# Allegro board SG2042_EVB_V2_0.brd (continued)
## Routing (per net, layer and track width the routed paths; a pad name or vN(x,y) marks a point on that pad's centre or on a via; arc(x,y) is an arc through that point) (continued)
  ART07 w0.254: 171.11,198.71 J2.239 ; J2.239 171.77,199.38 ; J2.239 170.45,199.38 ; 60.13,189.18 J4.107 ; J4.107 60.79,189.84 ; J4.107 60.79,188.51 ; J4.107 61.45,189.18 ; J4.149 65.25,280.98 ; J4.149 64.59,281.64 ; J4.149 63.93,280.98 ; J4.149 64.59,280.31 ; 50.73,240.18 J3.53 ; J3.53 52.05,240.18 ; J3.53 51.39,239.51 ; J3.53 51.39,240.84 ; J4.169 65.25,263.98 ; J4.169 64.59,264.64 ; J4.169 63.93,263.98 ; 176.05,175.58 J1.123 ; J1.123 176.71,176.24 ; J1.123 177.37,175.58 ; J2.96 169.57,198.53 ; J2.96 168.25,198.53 ; J2.96 168.91,197.86 ; J2.96 168.91,199.19 ; 182.11,174.06 J1.268 ; J1.268 182.11,175.39 ; J1.268 181.45,174.73 ; J1.268 182.77,174.73 ; 181.45,239.33 J1.198 ; J1.198 182.77,239.33 ; J1.198 182.11,239.99 ; J1.198 182.11,238.66 ; 60.79,276.91 J4.9 ; J4.9 60.79,278.24 ; J4.9 60.13,277.58 ; J4.9 61.45,277.58 ; J1.109 177.37,187.48 ; J1.109 176.05,187.48 ; J1.109 176.71,186.81 ; J1.109 176.71,188.14 ; J2.276 173.37,167.92 ; J2.276 172.05,167.92 ; J2.276 172.71,167.26 ; J2.259 171.11,183.04 ; J2.259 171.77,182.38 ; J2.259 170.45,182.38 ; 55.19,244.61 J3.191 ; J3.191 55.85,245.28 ; J3.191 54.53,245.28 ; J3.191 55.19,245.94 ; 65.53,237.63 J4.200 ; J4.200 66.19,236.96 ; J4.200 66.19,238.29 ; 56.79,274.36 J3.156 ; J3.156 56.13,275.03 ; J3.156 56.79,275.69 ; J3.156 57.45,275.03 ; J1.239 180.51,200.04 ; J1.239 180.51,198.71 ; J1.239 181.17,199.38 ; J1.239 179.85,199.38 ; J4.17 60.79,271.44 ; J4.17 60.79,270.11 ; J4.17 60.13,270.78 ; J4.17 61.45,270.78 ; J3.48 52.99,245.09 ; J3.48 52.99,243.76 ; J3.48 52.33,244.43 ; J3.48 53.65,244.43 ; J4.123 61.45,175.58 ; J4.123 60.79,176.24 ; J4.123 60.13,175.58 ; 52.99,162.16 J3.138 ; J3.138 52.33,162.83 ; J3.138 53.65,162.83 ; J2.250 172.71,190.69 ; J2.250 173.37,190.03 ; J2.250 172.71,189.36 ; J2.250 172.05,190.03 ; 179.85,197.67 J1.241 ; J1.241 180.51,198.34 ; J1.241 181.17,197.67 ; J1.241 180.51,197.01 ; 63.93,177.27 J4.265 ; J4.265 64.59,177.94 ; J4.265 64.59,176.61 ; J4.265 65.25,177.27 ; 178.31,197.86 J1.96 ; J1.96 178.97,198.53 ; J1.96 178.31,199.19 ; J1.96 177.65,198.53 ; J2.162 173.37,269.93 ; J2.162 172.71,269.26 ; J2.162 172.05,269.93 ; J2.162 172.71,270.59 ; J4.246 66.19,194.09 ; J4.246 66.19,192.76 ; J4.246 65.53,193.43 ; J1.263 181.17,178.98 ; J1.263 180.51,178.31 ; J1.263 179.85,178.98 ; J3.248 57.45,191.73 ; J3.248 56.79,192.39 ; J3.248 56.13,191.73 ; J3.248 56.79,191.06 ; J3.158 57.45,273.33 ; J3.158 56.79,272.66 ; J3.158 56.13,273.33 ; J3.158 56.79,273.99 ; 65.53,273.33 J4.158 ; J4.158 66.19,273.99 ; J4.158 66.85,273.33 ; J4.158 66.19,272.66 ; J3.17 52.05,270.78 ; J3.17 51.39,271.44 ; J3.17 50.73,270.78 ; J3.17 51.39,270.11 ; 52.99,267.56 J3.20 ; J3.20 52.99,268.89 ; J3.20 53.65,268.23 ; J3.20 52.33,268.23 ; J3.114 53.65,183.23 ; J3.114 52.99,183.89 ; J3.114 52.99,182.56 ; J3.114 52.33,183.23 ; 63.93,267.38 J4.165 ; J4.165 64.59,266.71 ; J4.165 65.25,267.38 ; J4.165 64.59,268.04 ; J1.42 178.97,249.53 ; J1.42 178.31,250.19 ; J1.42 178.31,248.86 ; J1.42 177.65,249.53 ; 54.53,282.68 J3.147 ; J3.147 55.85,282.68 ; J3.147 55.19,282.01 ; J3.147 55.19,283.34 ; 180.51,183.41 J1.257 ; J1.257 181.17,184.08 ; J1.257 180.51,184.74 ; J1.257 179.85,184.08 ; J2.252 172.71,188.99 ; J2.252 172.05,188.32 ; J2.252 172.71,187.66 ; J2.252 173.37,188.32 ; 60.13,238.48 J4.55 ; J4.55 61.45,238.48 ; J4.55 60.79,237.81 ; J4.55 60.79,239.14 ; J3.200 57.45,237.63 ; J3.200 56.79,236.96 ; J3.200 56.13,237.63 ; J3.200 56.79,238.29 ; J2.248 172.71,192.39 ; J2.248 172.71,191.06 ; J2.248 173.37,191.73 ; J2.248 172.05,191.73 ; J3.105 51.39,191.54 ; J3.105 52.05,190.88 ; J3.105 51.39,190.21 ; J3.105 50.73,190.88 ; J3.169 55.85,263.98 ; J3.169 54.53,263.98 ; J3.169 55.19,264.64 ; 167.31,239.51 J2.53 ; J2.53 167.31,240.84 ; J2.53 167.97,240.18 ; J4.11 61.45,275.87 ; J4.11 60.79,275.21 ; J4.11 60.13,275.87 ; J4.11 60.79,276.54 ; J1.246 182.77,193.43 ; J1.246 181.45,193.43 ; J1.246 182.11,192.76 ; J1.246 182.11,194.09 ; 167.31,259.54 J2.31 167.97,258.88 ; 182.11,253.96 J1.180 ; J1.180 182.11,255.29 ; J1.180 181.45,254.63 ; J1.180 182.77,254.63 ; 60.79,186.81 J4.109 ; J4.109 60.13,187.48 ; J4.109 60.79,188.14 ; J4.109 61.45,187.48 ; J3.13 52.05,274.18 ; J3.13 51.39,274.84 ; J3.13 51.39,273.51 ; J3.13 50.73,274.18 ; J3.160 56.79,272.29 ; J3.160 56.79,270.96 ; J3.160 56.13,271.63 ; J3.160 57.45,271.63 ; 62.39,165.56 J4.134 ; J4.134 61.73,166.23 ; J4.134 63.05,166.23 ; J4.134 62.39,166.89 ; 181.45,190.03 J1.250 ; J1.250 182.77,190.03 ; J1.250 182.11,190.69 ; J1.250 182.11,189.36 ; 60.79,193.61 J4.101 ; J4.101 60.13,194.28 ; J4.101 60.79,194.94 ; J4.101 61.45,194.28 ; J1.243 180.51,196.64 ; J1.243 181.17,195.98 ; J1.243 180.51,195.31 ; J1.243 179.85,195.98 ; 64.06,161.45 J4.283 65.11,161.45 ; 182.11,255.66 J1.178 ; J1.178 182.77,256.33 ; J1.178 182.11,256.99 ; J1.178 181.45,256.33 ; 177.65,264.83 J1.24 ; J1.24 178.31,265.49 ; J1.24 178.97,264.83 ; J1.55 177.37,238.48 ; J1.55 176.05,238.48 ; J1.55 176.71,237.81 ; J1.55 176.71,239.14 ; J1.272 182.77,171.33 ; J1.272 182.11,171.99 ; J1.272 182.11,170.66 ; J1.272 181.45,171.33 ; 52.33,247.83 J3.44 ; J3.44 53.65,247.83 ; J3.44 52.99,247.16 ; J3.22 52.99,267.19 ; J3.22 52.33,266.52 ; J3.22 53.65,266.52 ; J3.22 52.99,265.86 ; 56.79,189.36 J3.250 ; J3.250 57.45,190.03 ; J3.250 56.13,190.03 ; J3.250 56.79,190.69 ; 176.71,168.11 J1.131 ; J1.131 177.37,168.78 ; J1.131 176.05,168.78 ; 62.39,282.86 J4.2 ; J4.2 63.05,283.53 ; J4.2 61.73,283.53 ; 178.31,242.06 J1.50 ; J1.50 178.97,242.73 ; J1.50 177.65,242.73 ; J1.50 178.31,243.39 ; J3.165 55.85,267.38 ; J3.165 55.19,266.71 ; J3.165 54.53,267.38 ; J3.165 55.19,268.04 ; J4.147 64.59,283.34 ; J4.147 63.93,282.68 ; J4.147 64.59,282.01 ; J4.147 65.25,282.68 ; J3.129 51.39,171.14 ; J3.129 52.05,170.48 ; J3.129 51.39,169.81 ; J3.129 50.73,170.48 ; 60.79,254.81 J4.35 ; J4.35 60.13,255.47 ; J4.35 61.45,255.47 ; J4.35 60.79,256.14 ; 168.91,243.76 J2.48 ; J2.48 169.57,244.43 ; J2.48 168.25,244.43 ; J4.22 63.05,266.52 ; J4.22 62.39,267.19 ; J4.22 61.73,266.52 ; J4.22 62.39,265.86 ; 50.73,257.18 J3.33 ; J3.33 51.39,256.51 ; J3.33 52.05,257.18 ; J3.33 51.39,257.84 ; 178.31,248.49 J1.44 177.65,247.83 ; J2.187 171.77,248.68 ; J2.187 171.11,249.34 ; J2.187 170.45,248.68 ; J4.103 61.45,192.58 ; J4.103 60.79,193.24 ; J4.103 60.79,191.91 ; J4.103 60.13,192.58 ; J2.28 169.57,261.43 ; J2.28 168.25,261.43 ; J2.28 168.91,260.76 ; J3.259 55.19,183.04 ; J3.259 54.53,182.38 ; J3.259 55.85,182.38 ; J4.4 63.05,281.83 ; J4.4 62.39,282.49 ; J4.4 62.39,281.16 ; J4.4 61.73,281.83 ; J3.39 52.05,252.08 ; J3.39 51.39,251.41 ; J3.39 50.73,252.08 ; J3.39 51.39,252.74 ; J3.15 52.05,272.48 ; J3.15 50.73,272.48 ; J3.15 51.39,271.81 ; J3.15 51.39,273.14 ; 170.45,260.58 J2.173 ; J2.173 171.77,260.58 ; J2.173 171.11,259.91 ; J2.173 171.11,261.24 ; J2.20 168.91,268.89 ; J2.20 168.25,268.23 ; J2.20 168.91,267.56 ; J2.20 169.57,268.23 ; J1.195 180.51,242.54 ; J1.195 181.17,241.88 ; J1.195 179.85,241.88 ; J1.195 180.51,241.21 ; 60.13,274.18 J4.13 ; J4.13 60.79,273.51 ; J4.13 60.79,274.84 ; J4.13 61.45,274.18 ; 168.25,196.83 J2.98 ; J2.98 168.91,196.16 ; J2.98 168.91,197.49 ; J2.98 169.57,196.83 ; J2.50 169.57,242.73 ; J2.50 168.91,242.06 ; J2.50 168.91,243.39 ; J2.50 168.25,242.73 ; J3.167 55.85,265.68 ; J3.167 55.19,265.01 ; J3.167 55.19,266.34 ; J3.167 54.53,265.68 ; 51.39,188.51 J3.107 ; J3.107 51.39,189.84 ; J3.107 52.05,189.18 ; J3.107 50.73,189.18 ; J1.173 181.17,260.58 ; J1.173 179.85,260.58 ; J1.173 180.51,259.91 ; J1.173 180.51,261.24 ; J2.243 171.77,195.98 ; J2.243 171.11,195.31 ; J2.243 171.11,196.64 ; J2.243 170.45,195.98 ; 50.73,255.47 J3.35 ; J3.35 51.39,254.81 ; J3.35 52.05,255.47 ; J3.35 51.39,256.14 ; 65.11,178.45 J4.263 64.06,178.45 ; J1.187 181.17,248.68 ; J1.187 179.85,248.68 ; J1.187 180.51,249.34 ; J1.254 182.77,186.63 ; J1.254 182.11,185.96 ; J1.254 182.11,187.29 ; J1.254 181.45,186.63 ; 180.51,164.71 J1.279 ; J1.279 180.51,166.04 ; J1.279 179.85,165.38 ; J1.279 181.17,165.38 ; J1.281 181.17,163.68 ; J1.281 179.85,163.68 ; J1.281 180.51,164.34 ; 63.93,184.08 J4.257 ; J4.257 64.59,183.41 ; J4.257 64.59,184.74 ; J4.257 65.25,184.08 ; 63.93,243.58 J4.193 ; J4.193 64.59,242.91 ; J4.193 64.59,244.24 ; J4.193 65.25,243.58 ; 170.45,197.67 J2.241 ; J2.241 171.11,197.01 ; J2.241 171.77,197.67 ; J2.241 171.11,198.34 ; 56.13,186.63 J3.254 ; J3.254 56.79,185.96 ; J3.254 57.45,186.63 ; J3.254 56.79,187.29 ; 178.31,260.76 J1.28 ; J1.28 178.97,261.43 ; J1.28 178.31,262.09 ; J1.28 177.65,261.43 ; 56.13,251.23 J3.184 ; J3.184 56.79,250.56 ; J3.184 57.45,251.23 ; J4.241 64.59,198.34 ; J4.241 64.59,197.01 ; J4.241 63.93,197.67 ; J4.241 65.25,197.67 ; J3.101 52.05,194.28 ; J3.101 51.39,194.94 ; J3.101 51.39,193.61 ; J3.101 50.73,194.28 ; J2.112 169.57,184.93 ; J2.112 168.91,185.59 ; J2.112 168.91,184.26 ; J2.112 168.25,184.93 ; 176.05,240.18 J1.53 ; J1.53 176.71,240.84 ; J1.53 176.71,239.51 ; J1.53 177.37,240.18 ; J1.184 182.77,251.23 ; J1.184 182.11,250.56 ; J1.184 181.45,251.23 ; J1.184 182.11,251.89 ; J2.42 168.91,250.19 ; J2.42 169.57,249.53 ; J2.42 168.91,248.86 ; J2.42 168.25,249.53 ; J3.103 52.05,192.58 ; J3.103 50.73,192.58 ; J3.103 51.39,191.91 ; J3.103 51.39,193.24 ; 176.05,189.18 J1.107 ; J1.107 177.37,189.18 ; J1.107 176.71,188.51 ; J1.107 176.71,189.84 ; J3.120 53.65,178.13 ; J3.120 52.99,177.46 ; J3.120 52.33,178.13 ; J3.120 52.99,178.79 ; 170.45,177.27 J2.265 ; J2.265 171.11,176.61 ; J2.265 171.77,177.27 ; J2.265 171.11,177.94 ; 54.53,279.28 J3.151 ; J3.151 55.85,279.28 ; J3.151 55.19,278.61 ; J3.151 55.19,279.94 ; 62.39,243.76 J4.48 ; J4.48 62.39,245.09 ; J4.48 63.05,244.43 ; J4.48 61.73,244.43 ; 62.39,177.46 J4.120 ; J4.120 61.73,178.13 ; J4.120 63.05,178.13 ; 66.19,255.66 J4.178 65.53,256.33 ; J4.156 66.85,275.03 ; J4.156 66.19,275.69 ; J4.156 65.53,275.03 ; J4.156 66.19,274.36 ; 52.33,283.53 J3.2 ; J3.2 53.65,283.53 ; J3.2 52.99,282.86 ; 63.93,241.88 J4.195 ; J4.195 65.25,241.88 ; J4.195 64.59,242.54 ; J4.195 64.59,241.21 ; 177.65,166.23 J1.134 ; J1.134 178.97,166.23 ; J1.134 178.31,166.89 ; J1.134 178.31,165.56 ; 55.19,195.31 J3.243 ; J3.243 55.85,195.98 ; J3.243 55.19,196.64 ; J3.243 54.53,195.98 ; 178.86,262.57 J1.26 177.76,262.57 ; 61.73,246.12 J4.46 ; J4.46 63.05,246.12 ; J4.46 62.39,245.46 ; 171.67,161.42 J2.283 170.56,161.42 ; J3.112 53.65,184.93 ; J3.112 52.33,184.93 ; J3.112 52.99,184.26 ; J3.112 52.99,185.59 ; 172.71,270.96 J2.160 172.05,271.63 ; 65.53,254.63 J4.180 66.19,255.29 ; J2.254 172.71,187.29 ; J2.254 172.71,185.96 ; J2.254 172.05,186.63 ; J2.254 173.37,186.63 ; 66.19,269.26 J4.162 ; J4.162 66.19,270.59 ; J4.162 65.53,269.93 ; J4.162 66.85,269.93 ; 52.33,200.23 J3.94 ; J3.94 52.99,199.56 ; J3.94 53.65,200.23 ; J2.193 171.77,243.58 ; J2.193 171.11,244.24 ; J2.193 170.45,243.58 ; J2.193 171.11,242.91 ; J4.105 60.79,191.54 ; J4.105 60.13,190.88 ; J4.105 60.79,190.21 ; J4.105 61.45,190.88 ; 52.99,196.16 J3.98 ; J3.98 53.65,196.83 ; J3.98 52.33,196.83 ; J3.98 52.99,197.49 ; J2.11 167.31,276.54 ; J2.11 166.65,275.87 ; J2.11 167.31,275.21 ; J2.11 167.97,275.87 ; 61.73,268.23 J4.20 ; J4.20 63.05,268.23 ; J4.20 62.39,267.56 ; J4.20 62.39,268.89 ; 62.39,197.86 J4.96 ; J4.96 63.05,198.53 ; J4.96 62.39,199.19 ; J4.96 61.73,198.53 ; J3.131 51.39,169.44 ; J3.131 52.05,168.78 ; J3.131 50.73,168.78 ; J3.131 51.39,168.11 ; 50.73,187.48 J3.109 ; J3.109 51.39,188.14 ; J3.109 52.05,187.48 ; J3.109 51.39,186.81 ; 63.93,165.38 J4.279 ; J4.279 65.25,165.38 ; J4.279 64.59,166.04 ; 168.91,165.56 J2.134 ; J2.134 169.57,166.23 ; J2.134 168.91,166.89 ; J2.134 168.25,166.23 ; 166.65,277.58 J2.9 167.31,276.91 ; 52.33,263.13 J3.26 52.99,263.79 ; J3.252 56.79,188.99 ; J3.252 56.79,187.66 ; J3.252 56.13,188.32 ; J3.252 57.45,188.32 ; 177.65,244.43 J1.48 ; J1.48 178.31,245.09 ; J1.48 178.97,244.43 ; J1.48 178.31,243.76 ; 63.93,279.28 J4.151 ; J4.151 65.25,279.28 ; J4.151 64.59,278.61 ; J4.151 64.59,279.94 ; J3.178 57.45,256.33 ; J3.178 56.13,256.33 ; J3.178 56.79,255.66 ; 168.25,178.13 J2.120 ; J2.120 168.91,177.46 ; J2.120 169.57,178.13 ; J1.94 178.31,200.89 ; J1.94 177.65,200.23 ; J1.94 178.97,200.23 ; J1.94 178.31,199.56 ; J4.50 63.05,242.73 ; J4.50 62.39,242.06 ; J4.50 62.39,243.39 ; J4.50 61.73,242.73 ; 176.05,252.08 J1.39 176.71,251.41 ; 54.53,165.38 J3.279 ; J3.279 55.85,165.38 ; J3.279 55.19,166.04 ; J2.257 171.77,184.08 ; J2.257 171.11,183.41 ; J2.257 170.45,184.08 ; J2.257 171.11,184.74 ; 169.47,182.08 J2.116 168.36,182.08 ; 178.31,163.86 J1.136 ; J1.136 178.31,165.19 ; J1.136 178.97,164.53 ; J1.136 177.65,164.53 ; 66.19,276.06 J4.154 ; J4.154 65.53,276.73 ; J4.154 66.19,277.39 ; J4.154 66.85,276.73 ; 61.73,184.93 J4.112 ; J4.112 62.39,184.26 ; J4.112 62.39,185.59 ; J4.112 63.05,184.93 ; J3.198 57.45,239.33 ; J3.198 56.79,239.99 ; J3.198 56.79,238.66 ; J3.198 56.13,239.33 ; J1.112 178.31,185.59 ; J1.112 177.65,184.93 ; J1.112 178.97,184.93 ; J1.112 178.31,184.26 ; J3.149 55.85,280.98 ; J3.149 55.19,281.64 ; J3.149 54.53,280.98 ; J3.149 55.19,280.31 ; J1.248 182.77,191.73 ; J1.248 181.45,191.73 ; J1.248 182.11,192.39 ; J1.248 182.11,191.06 ; J4.57 61.45,236.77 ; J4.57 60.79,237.44 ; J4.57 60.13,236.77 ; 173.37,174.73 J2.268 172.71,175.39 ; 56.13,276.73 J3.154 ; J3.154 56.79,277.39 ; J3.154 57.45,276.73 ; J3.154 56.79,276.06 ; 56.79,269.26 J3.162 ; J3.162 56.13,269.93 ; J3.162 57.45,269.93 ; J3.162 56.79,270.59 ; 180.51,246.31 J1.189 181.17,246.98 ; J1.98 178.31,197.49 ; J1.98 178.31,196.16 ; J1.98 177.65,196.83 ; J1.98 178.97,196.83 ; 178.31,245.46 J1.46 178.97,246.12 ; 181.45,169.63 J1.274 ; J1.274 182.77,169.63 ; J1.274 182.11,170.29 ; J1.274 182.11,168.96 ; 54.53,178.98 J3.263 ; J3.263 55.85,178.98 ; J3.263 55.19,179.64 ; J3.263 55.19,178.31 ; 176.05,194.28 J1.101 ; J1.101 177.37,194.28 ; J1.101 176.71,193.61 ; J1.101 176.71,194.94 ; 51.39,173.21 J3.125 ; J3.125 50.73,173.88 ; J3.125 51.39,174.54 ; J3.125 52.05,173.88 ; 56.13,235.93 J3.202 ; J3.202 57.45,235.93 ; J3.202 56.79,236.59 ; J1.259 181.17,182.38 ; J1.259 180.51,181.71 ; J1.259 179.85,182.38 ; J1.259 180.51,183.04 ; J1.116 178.97,181.53 ; J1.116 178.31,182.19 ; J1.116 177.65,181.53 ; J2.55 167.97,238.48 ; J2.55 167.31,239.14 ; J2.55 167.31,237.81 ; 182.11,257.36 J1.176 ; J1.176 182.77,258.03 ; J1.176 181.45,258.03 ; J1.176 182.11,258.69 ; 61.73,183.23 J4.114 ; J4.114 63.05,183.23 ; J4.114 62.39,182.56 ; J4.114 62.39,183.89 ; 171.67,261.72 J2.171 170.56,261.72 ; 55.72,180.15 J3.261 54.66,180.15 ; 62.39,199.56 J4.94 ; J4.94 61.73,200.23 ; J4.94 62.39,200.89 ; J4.94 63.05,200.23 ; J4.6 63.05,280.13 ; J4.6 62.39,279.46 ; J4.6 62.39,280.79 ; J4.6 61.73,280.13 ; 52.33,198.53 J3.96 ; J3.96 53.65,198.53 ; J3.96 52.99,199.19 ; J3.96 52.99,197.86 ; J4.239 65.25,199.38 ; J4.239 64.59,198.71 ; J4.239 64.59,200.04 ; J4.239 63.93,199.38 ; J3.4 52.99,282.49 ; J3.4 52.99,281.16 ; J3.4 53.65,281.83 ; J3.4 52.33,281.83 ; 52.33,242.73 J3.50 ; J3.50 52.99,242.06 ; J3.50 52.99,243.39 ; J3.50 53.65,242.73 ; J2.17 167.31,271.44 ; J2.17 166.65,270.78 ; J2.17 167.31,270.11 ; J2.17 167.97,270.78 ; 52.33,280.13 J3.6 ; J3.6 52.99,279.46 ; J3.6 53.65,280.13 ; J3.6 52.99,280.79 ; J2.107 167.97,189.18 ; J2.107 167.31,189.84 ; J2.107 167.31,188.51 ; J3.57 51.39,237.44 ; J3.57 51.39,236.11 ; J3.57 52.05,236.77 ; J3.57 50.73,236.77 ; J2.101 167.31,194.94 ; J2.101 167.31,193.61 ; J2.101 167.97,194.28 ; J4.167 65.25,265.68 ; J4.167 64.59,265.01 ; J4.167 63.93,265.68 ; J4.167 64.59,266.34 ; 65.53,239.33 J4.198 ; J4.198 66.19,239.99 ; J4.198 66.19,238.66 ; 55.19,197.01 J3.241 ; J3.241 55.85,197.67 ; J3.241 55.19,198.34 ; J3.241 54.53,197.67 ; 64.59,244.61 J4.191 ; J4.191 65.25,245.28 ; J4.191 63.93,245.28 ; J4.191 64.59,245.94 ; 60.13,253.78 J4.37 60.79,254.44 ; J3.283 55.85,161.98 ; J3.283 55.19,161.31 ; J3.283 54.53,161.98 ; J3.283 55.19,162.64 ; 172.71,258.69 J2.176 173.37,258.03 ; J1.200 182.11,238.29 ; J1.200 181.45,237.63 ; J1.200 182.77,237.63 ; J1.200 182.11,236.96 ; 51.39,258.21 J3.31 ; J3.31 50.73,258.88 ; J3.31 51.39,259.54 ; J3.31 52.05,258.88 ; 167.31,176.24 J2.123 167.97,175.58 ; J3.239 55.85,199.38 ; J3.239 55.19,200.04 ; J3.239 54.53,199.38 ; J3.239 55.19,198.71 ; 60.79,256.51 J4.33 60.13,257.18 ; 182.11,167.26 J1.276 ; J1.276 181.45,167.92 ; J1.276 182.77,167.92 ; J1.276 182.11,168.59 ; J4.98 62.39,197.49 ; J4.98 61.73,196.83 ; J4.98 62.39,196.16 ; J4.98 63.05,196.83 ; J3.246 57.45,193.43 ; J3.246 56.79,192.76 ; J3.246 56.13,193.43 ; J3.246 56.79,194.09 ; J4.259 65.25,182.38 ; J4.259 64.59,183.04 ; J4.259 63.93,182.38 ; 177.65,178.13 J1.120 ; J1.120 178.97,178.13 ; J1.120 178.31,177.46 ; J1.120 178.31,178.79 ; 52.99,264.16 J3.24 ; J3.24 52.33,264.83 ; J3.24 52.99,265.49 ; J3.24 53.65,264.83 ; 51.39,237.81 J3.55 ; J3.55 50.73,238.48 ; J3.55 52.05,238.48 ; J3.55 51.39,239.14 ; J1.191 180.51,245.94 ; J1.191 180.51,244.61 ; J1.191 179.85,245.28 ; J1.191 181.17,245.28 ; J4.254 66.19,187.29 ; J4.254 66.19,185.96 ; J4.254 65.53,186.63 ; 170.56,178.42 J2.263 171.67,178.42 ; 56.13,167.92 J3.276 ; J3.276 57.45,167.92 ; J3.276 56.79,167.26 ; 167.31,273.51 J2.13 ; J2.13 167.31,274.84 ; J2.13 167.97,274.18 ; J2.13 166.65,274.18 ; 172.71,238.66 J2.198 ; J2.198 173.37,239.33 ; J2.198 172.71,239.99 ; J2.198 172.05,239.33 ; 170.45,267.38 J2.165 ; J2.165 171.77,267.38 ; J2.165 171.11,268.04 ; J2.165 171.11,266.71 ; J3.11 52.05,275.87 ; J3.11 51.39,276.54 ; J3.11 50.73,275.87 ; J3.11 51.39,275.21 ; J4.24 63.05,264.83 ; J4.24 62.39,265.49 ; J4.24 61.73,264.83 ; J4.24 62.39,264.16 ; J3.46 53.65,246.12 ; J3.46 52.99,245.46 ; J3.46 52.33,246.12 ; J3.46 52.99,246.79 ; J1.103 176.71,193.24 ; J1.103 176.05,192.58 ; J1.103 176.71,191.91 ; J1.103 177.37,192.58 ; 52.33,181.53 J3.116 52.99,182.19 ; J3.189 55.19,247.64 ; J3.189 54.53,246.98 ; J3.189 55.85,246.98 ; J3.189 55.19,246.31 ; 176.71,190.21 J1.105 ; J1.105 176.05,190.88 ; J1.105 177.37,190.88 ; J1.105 176.71,191.54 ; 168.36,165.08 J2.136 169.47,165.08 ; J1.252 182.11,188.99 ; J1.252 182.11,187.66 ; J1.252 181.45,188.32 ; J1.252 182.77,188.32 ; 167.31,186.81 J2.109 ; J2.109 167.97,187.48 ; J2.109 167.31,188.14 ; J2.105 167.31,191.54 ; J2.105 167.31,190.21 ; J2.105 167.97,190.88 ; J1.202 182.77,235.93 ; J1.202 181.45,235.93 ; J1.202 182.11,236.59 ; J1.202 182.11,235.26 ; 61.86,182.05 J4.116 62.91,182.05 ; 170.45,165.38 J2.279 ; J2.279 171.11,166.04 ; J2.279 171.77,165.38 ; J3.123 52.05,175.58 ; J3.123 51.39,174.91 ; J3.123 50.73,175.58 ; J3.123 51.39,176.24 ; J3.268 56.79,175.39 ; J3.268 56.13,174.73 ; J3.268 57.45,174.73 ; J3.9 52.05,277.58 ; J3.9 50.73,277.58 ; J3.9 51.39,278.24 ; J3.9 51.39,276.91 ; J1.182 182.77,252.93 ; J1.182 182.11,252.26 ; J1.182 181.45,252.93 ; J1.182 182.11,253.59 ; J2.167 171.77,265.68 ; J2.167 171.11,266.34 ; J2.167 170.45,265.68 ; J2.246 172.71,194.09 ; J2.246 173.37,193.43 ; J2.246 172.05,193.43 ; J2.246 172.71,192.76 ; 179.85,243.58 J1.193 ; J1.193 181.17,243.58 ; J1.193 180.51,242.91 ; J1.193 180.51,244.24 ; J1.57 177.37,236.77 ; J1.57 176.05,236.77 ; J1.57 176.71,237.44 ; J2.195 171.11,242.54 ; J2.195 170.45,241.88 ; J2.195 171.11,241.21 ; J2.195 171.77,241.88 ; 181.17,161.98 J1.283 180.51,161.31 ; 56.13,254.63 J3.180 ; J3.180 56.79,255.29 ; J3.180 57.45,254.63 ; J2.15 167.97,272.48 ; J2.15 167.31,271.81 ; J2.15 167.31,273.14 ; J2.15 166.65,272.48 ; 64.06,246.45 J4.189 65.11,246.45 ; 55.19,242.91 J3.193 ; J3.193 55.19,244.24 ; J3.193 55.85,243.58 ; J3.193 54.53,243.58 ; J1.31 177.37,258.88 ; J1.31 176.05,258.88 ; J1.31 176.71,259.54 ; J4.248 66.19,192.39 ; J4.248 65.53,191.73 ; J4.248 66.19,191.06 ; 172.71,250.56 J2.184 ; J2.184 172.05,251.23 ; J2.184 173.37,251.23 ; J3.195 55.85,241.88 ; J3.195 55.19,242.54 ; J3.195 55.19,241.21 ; J3.195 54.53,241.88 ; J1.265 180.51,177.94 ; J1.265 181.17,177.27 ; J1.265 180.51,176.61 ; J1.265 179.85,177.27 ; 66.19,189.36 J4.250 ; J4.250 66.19,190.69 ; J4.250 65.53,190.03 ; 54.53,260.58 J3.173 ; J3.173 55.85,260.58 ; J3.173 55.19,259.91 ; J3.173 55.19,261.24 ; J3.265 55.19,177.94 ; J3.265 55.85,177.27 ; J3.265 55.19,176.61 ; J3.265 54.53,177.27 ; 50.73,172.18 J3.127 ; J3.127 51.39,172.84 ; J3.127 52.05,172.18 ; J3.127 51.39,171.51 ; 54.66,248.15 J3.187 55.72,248.15 ; 179.85,262.28 J1.171 180.51,261.61 ; 62.91,263.65 J4.26 61.86,263.65 ; J1.114 178.97,183.23 ; J1.114 178.31,183.89 ; J1.114 177.65,183.23 ; J1.114 178.31,182.56 ; 52.99,260.76 J3.28 ; J3.28 53.65,261.43 ; J3.28 52.33,261.43 ; J4.160 66.19,272.29 ; J4.160 66.85,271.63 ; J4.160 65.53,271.63 ; J4.160 66.19,270.96 ; 181.17,180.68 J1.261 180.51,181.34 ; J2.114 169.57,183.23 ; J2.114 168.25,183.23 ; J2.114 168.91,183.89 ; J2.114 168.91,182.56 ; J4.15 60.79,273.14 ; J4.15 60.13,272.48 ; J4.15 61.45,272.48 ; J4.15 60.79,271.81 ; J4.53 61.45,240.18 ; J4.53 60.79,239.51 ; J4.53 60.79,240.84 ; J4.53 60.13,240.18 ; 168.91,265.86 J2.22 ; J2.22 168.91,267.19 ; J2.22 168.25,266.52 ; J2.22 169.57,266.52 ; 177.76,179.27 J1.118 178.86,179.27 ; 63.93,195.98 J4.243 ; J4.243 64.59,195.31 ; J4.243 65.25,195.98 ; J4.243 64.59,196.64 ; J2.103 167.97,192.58 ; J2.103 167.31,191.91 ; J2.103 167.31,193.24 ; 172.71,235.26 J2.202 173.37,235.93 ; 52.99,250.19 J3.42 52.33,249.53 ; 177.65,266.52 J1.22 178.31,265.86 ; 51.39,253.11 J3.37 ; J3.37 52.05,253.78 ; J3.37 51.39,254.44 ; J3.37 50.73,253.78 ; J4.252 66.19,188.99 ; J4.252 65.53,188.32 ; J4.252 66.19,187.66 ; 178.86,163.38 J1.138 177.76,163.38 ; 169.57,200.23 J2.94 168.91,199.56 ; 52.33,166.23 J3.134 ; J3.134 53.65,166.23 ; J3.134 52.99,166.89 ; J3.134 52.99,165.56 ; 65.53,167.92 J4.276 66.19,167.26 ; 54.66,163.15 J3.281 55.72,163.15 ; 181.45,173.03 J1.270 ; J1.270 182.11,172.36 ; J1.270 182.77,173.03 ; J1.270 182.11,173.69 ; 172.05,237.63 J2.200 ; J2.200 173.37,237.63 ; J2.200 172.71,238.29 ; 52.33,164.53 J3.136 52.99,165.19 ; 60.79,168.11 J4.131 60.13,168.78 ; J3.257 55.85,184.08 ; J3.257 54.53,184.08 ; J3.257 55.19,184.74 ; J3.257 55.19,183.41 ; 168.36,265.38 J2.24 169.47,265.38 ; 169.47,248.38 J2.44 168.36,248.38 ; J3.118 53.65,179.83 ; J3.118 52.33,179.83 ; J3.118 52.99,179.16
  ART07 w0.381: J2.39 167.31,251.31 ; J4.268 65.58,175.33 ; J2.131 167.31,168.04 ; 95,192.33 95,192.8 v1(94.75,193.05) ; v1(138.75,193.05) 138.48,192.78 138.48,192.3
  ART07 w0.406: v1(113.25,192.55) v1(113.25,170.74) ; v1(104.25,192.55) v1(104.25,167.61) ; v1(120.04,170.18) 122.25,170.18 v1(122.25,192.55)